# KiCad board Pravetz8A-patched.kicad_pcb
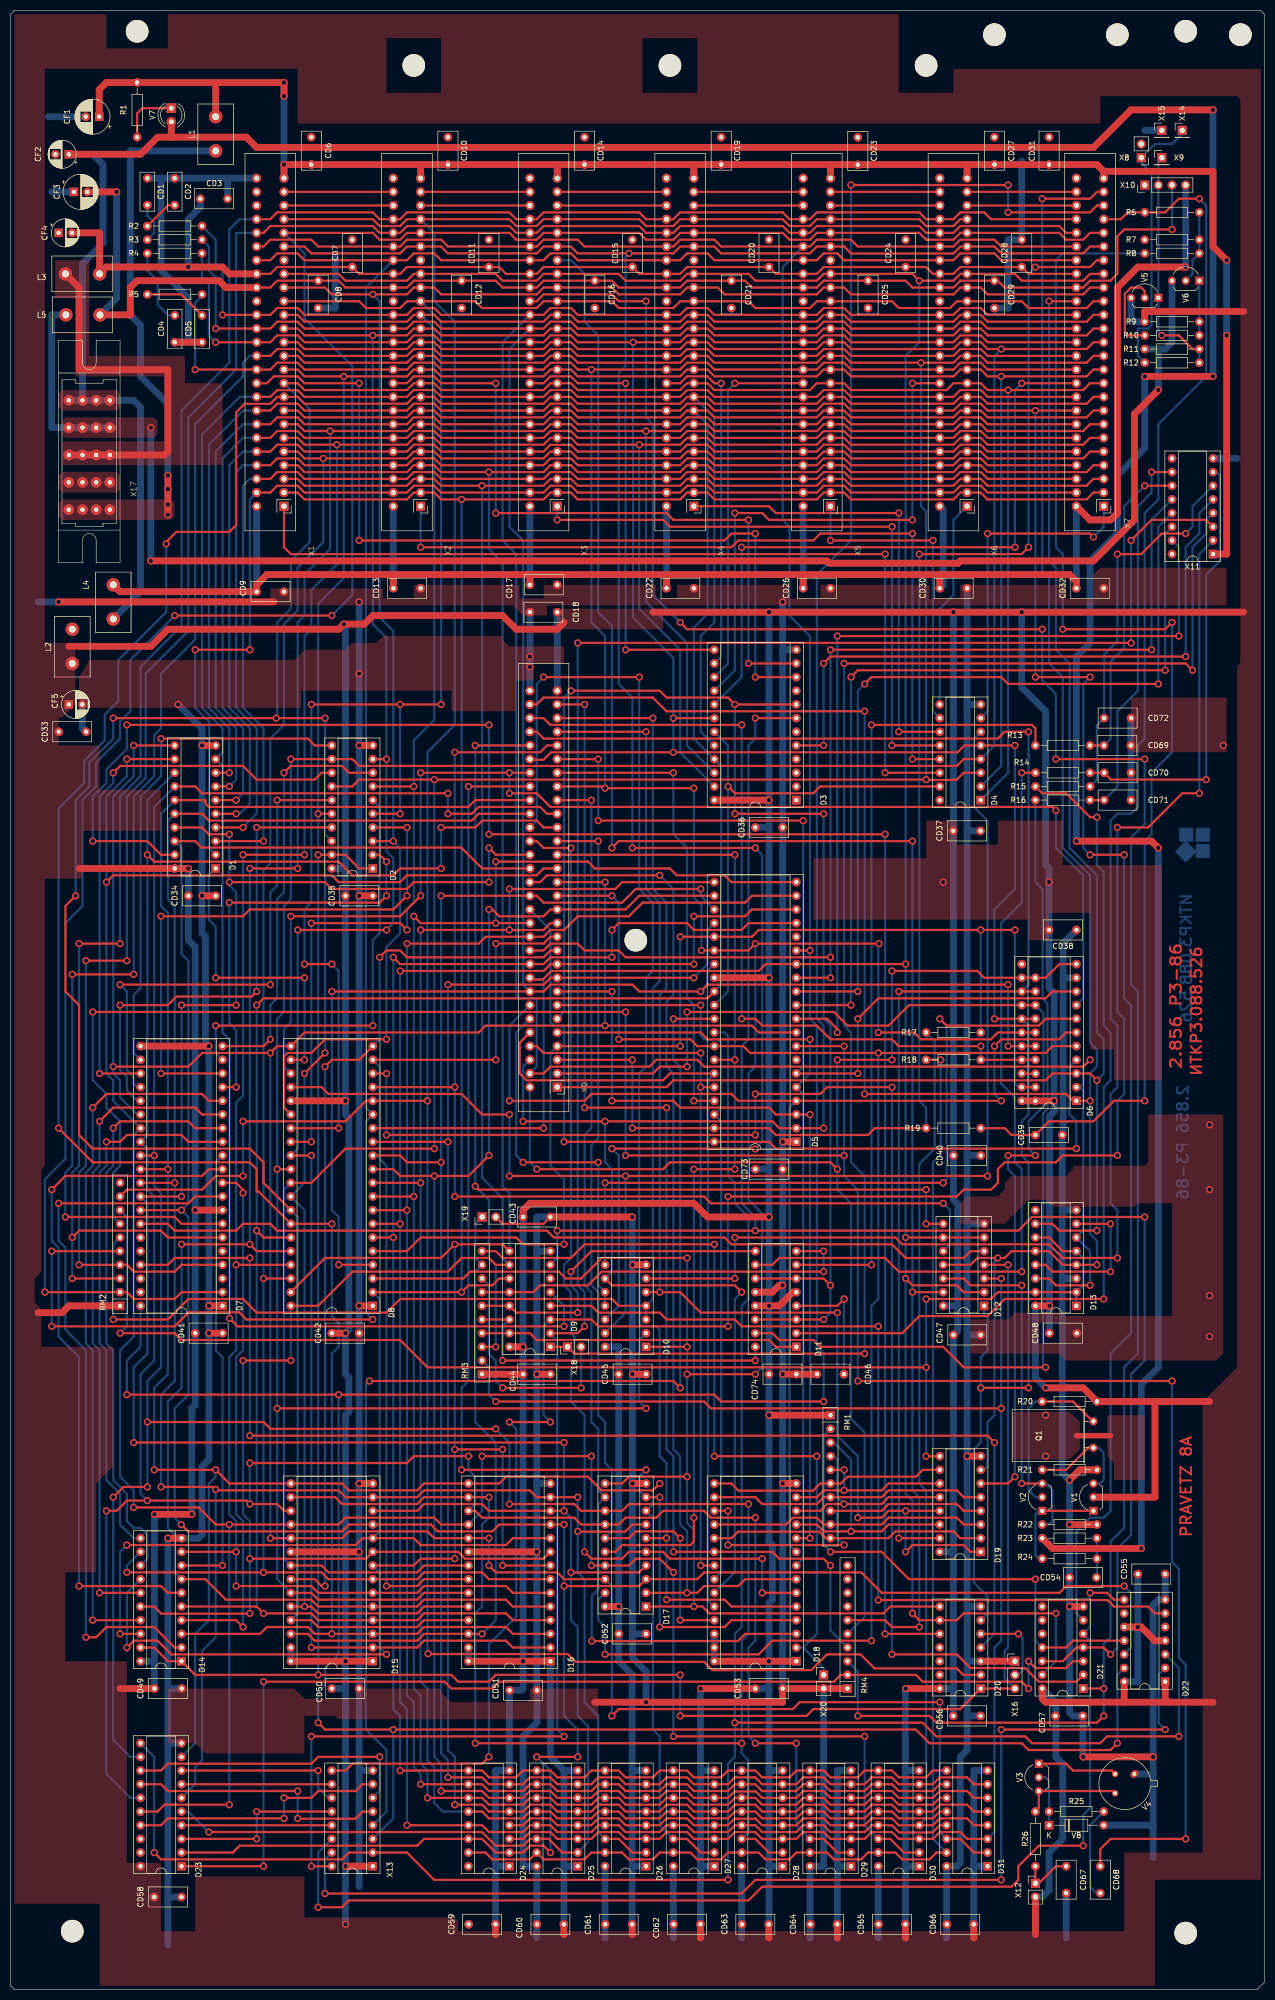
[diagram p0: board, top side]
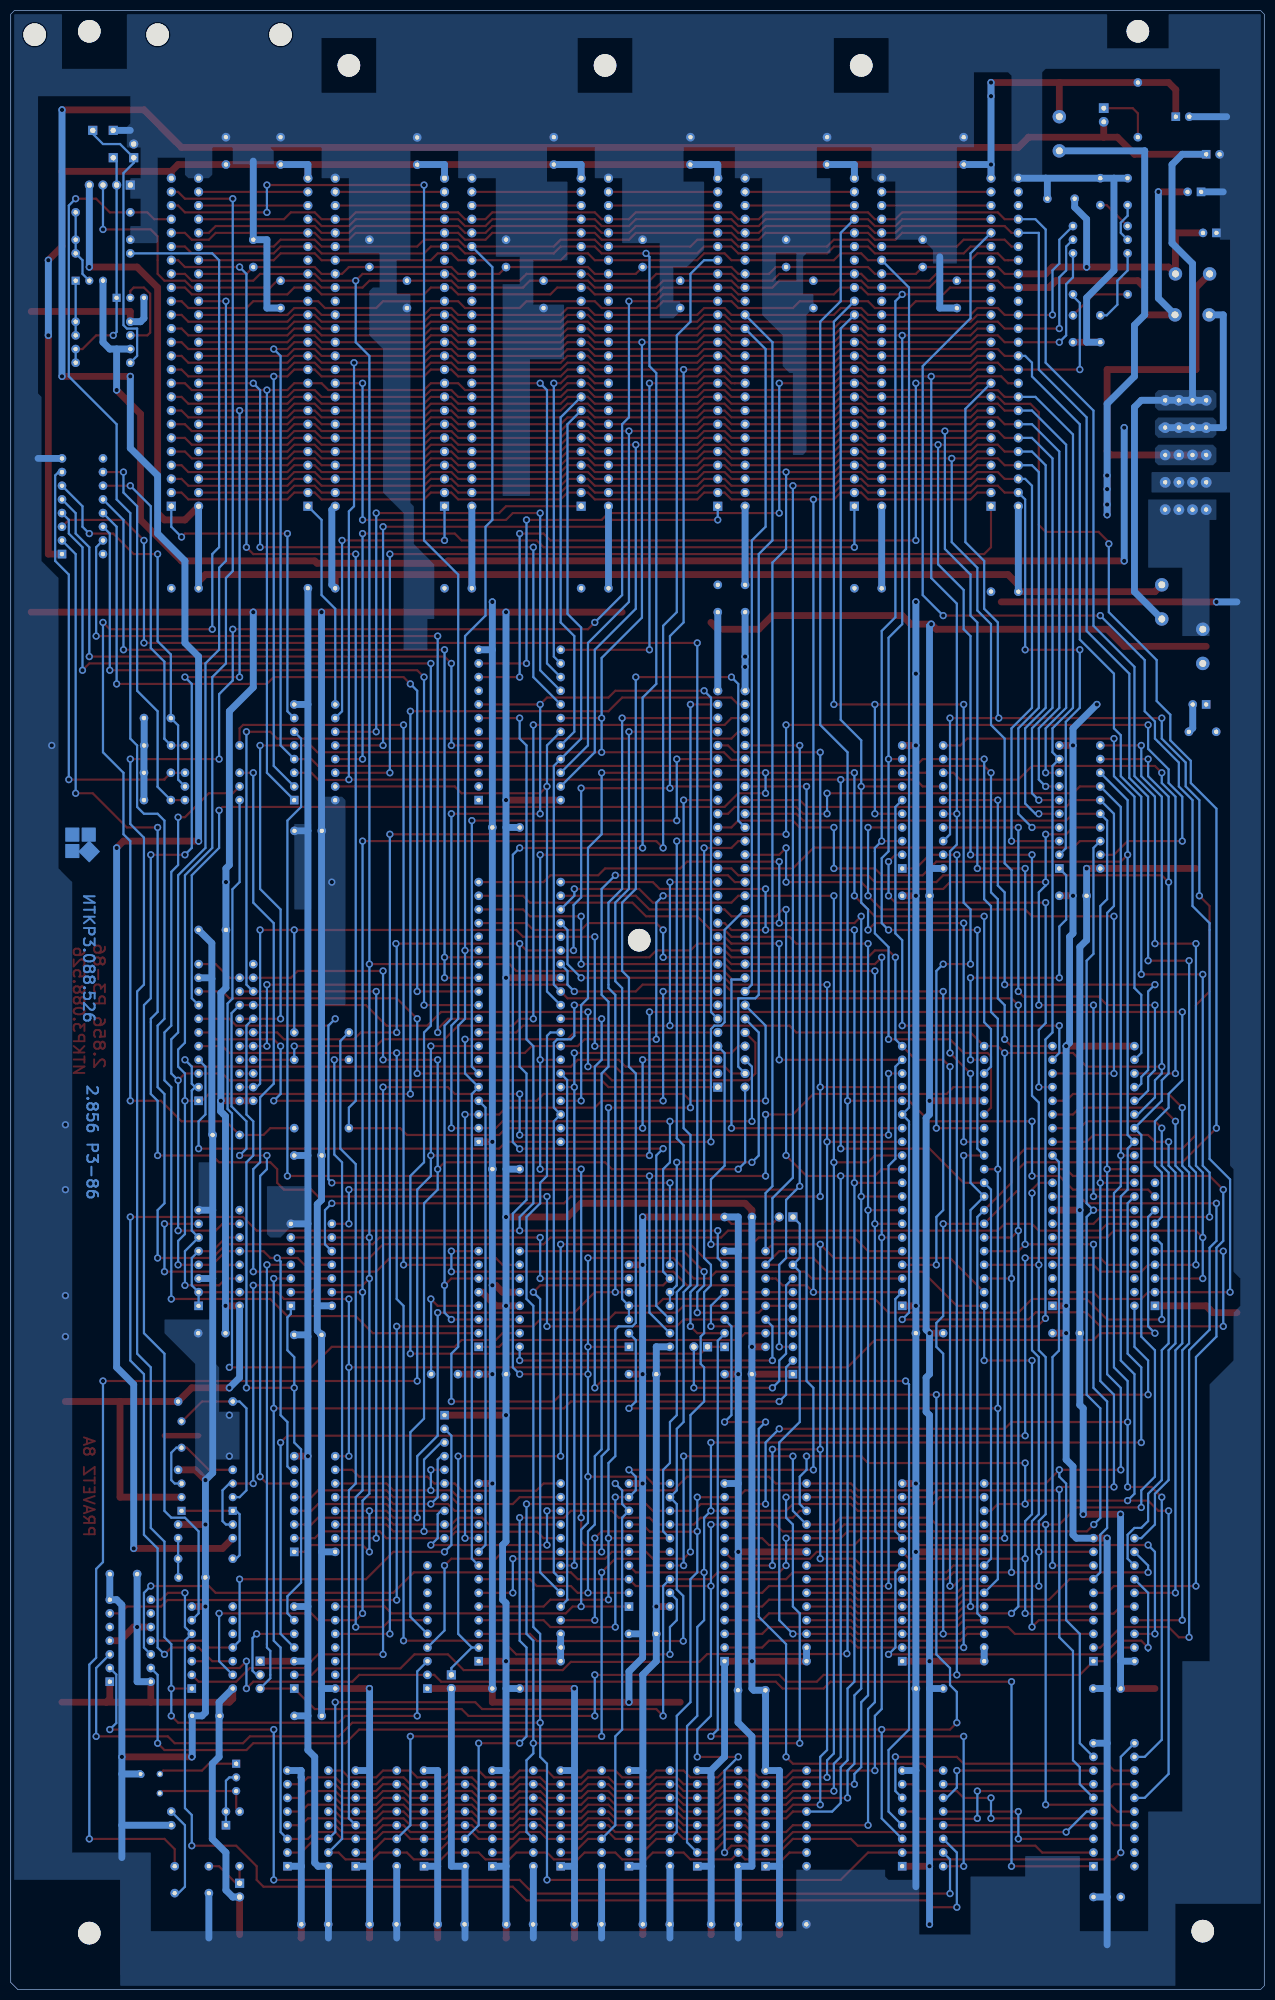
[diagram p1: board, bottom side, seen from below]

Outline 233.05 x 367.66 mm; copper layers: Top, Bottom. Coordinates in mm from the lower left corner of the outline.
Outline path: 0,367.03 0.64,367.66 232.41,367.66 233.05,367.03 233.05,1.27 231.78,0 0.64,0 0,0.63 0,367.03
Stack: Top 0.035mm / dielectric 1.51mm FR4 er 4.5 / Bottom 0.035mm

## Placement (name value [footprint] x y rotation side)
CD1  220pF  [C_Disc_D7.0mm_W2.5mm_P5.00mm]  25.4 336.55 270 top
CD2  220pF  [C_Disc_D7.0mm_W2.5mm_P5.00mm]  30.48 336.55 270 top
CD3  150n  [C_Rect_L7.0mm_W3.5mm_P200Mil]  40.32 332.74 180 top
CD4  220pF  [C_Disc_D7.0mm_W2.5mm_P5.00mm]  30.48 306.07 90 top
CD5  220pF  [C_Disc_D7.0mm_W2.5mm_P5.00mm]  35.56 306.07 90 top
CD6  150n  [C_Rect_L7.0mm_W3.5mm_P200Mil]  55.88 344.17 270 top
CD7  150n  [C_Rect_L7.0mm_W3.5mm_P200Mil]  63.5 325.12 270 top
CD8  150n  [C_Rect_L7.0mm_W3.5mm_P200Mil]  57.15 312.42 90 top
CD9  150n  [C_Rect_L7.0mm_W3.5mm_P200Mil]  50.8 259.71 180 top
CD10  150n  [C_Rect_L7.0mm_W3.5mm_P200Mil]  81.28 344.17 270 top
CD11  150n  [C_Rect_L7.0mm_W3.5mm_P200Mil]  88.9 325.12 270 top
CD12  150n  [C_Rect_L7.0mm_W3.5mm_P200Mil]  83.82 312.42 90 top
CD13  150n  [C_Rect_L7.0mm_W3.5mm_P200Mil]  76.2 260.35 180 top
CD14  150n  [C_Rect_L7.0mm_W3.5mm_P200Mil]  106.68 344.17 270 top
CD15  150n  [C_Rect_L7.0mm_W3.5mm_P200Mil]  115.57 325.12 270 top
CD16  150n  [C_Rect_L7.0mm_W3.5mm_P200Mil]  108.58 312.42 90 top
CD17  150n  [C_Rect_L7.0mm_W3.5mm_P200Mil]  101.6 260.99 180 top
CD18  150n  [C_Rect_L7.0mm_W3.5mm_P200Mil]  96.52 255.9 0 top
CD19  150n  [C_Rect_L7.0mm_W3.5mm_P200Mil]  132.08 344.17 270 top
CD20  150n  [C_Rect_L7.0mm_W3.5mm_P200Mil]  140.97 325.12 270 top
CD21  150n  [C_Rect_L7.0mm_W3.5mm_P200Mil]  133.99 312.42 90 top
CD22  150n  [C_Rect_L7.0mm_W3.5mm_P200Mil]  127 260.35 180 top
CD23  150n  [C_Rect_L7.0mm_W3.5mm_P200Mil]  157.48 344.13 270 top
CD24  150n  [C_Rect_L7.0mm_W3.5mm_P200Mil]  166.37 325.12 270 top
CD25  150n  [C_Rect_L7.0mm_W3.5mm_P200Mil]  159.39 312.42 90 top
CD26  150n  [C_Rect_L7.0mm_W3.5mm_P200Mil]  152.4 260.35 180 top
CD27  150n  [C_Rect_L7.0mm_W3.5mm_P200Mil]  182.88 344.17 270 top
CD28  150n  [C_Rect_L7.0mm_W3.5mm_P200Mil]  187.96 325.12 270 top
CD29  150n  [C_Rect_L7.0mm_W3.5mm_P200Mil]  182.88 312.42 90 top
CD30  150n  [C_Rect_L7.0mm_W3.5mm_P200Mil]  177.8 260.35 180 top
CD31  150n  [C_Rect_L7.0mm_W3.5mm_P200Mil]  193.04 344.17 270 top
CD32  150n  [C_Rect_L7.0mm_W3.5mm_P200Mil]  203.2 260.35 180 top
CD33  150n  [C_Rect_L7.0mm_W3.5mm_P200Mil]  8.93 233.68 0 top
CD34  150n  [C_Rect_L7.0mm_W3.5mm_P200Mil]  38.1 203.2 180 top
CD35  150n  [C_Rect_L7.0mm_W3.5mm_P200Mil]  67.31 203.2 180 top
CD36  150n  [C_Rect_L7.0mm_W3.5mm_P200Mil]  143.51 215.9 180 top
CD37  150n  [C_Rect_L7.0mm_W3.5mm_P200Mil]  180.3 215.26 180 top
CD38  150n  [C_Rect_L7.0mm_W3.5mm_P200Mil]  198.12 196.85 180 top
CD39  100pF  [C_Disc_D7.0mm_W2.5mm_P5.00mm]  195.5 158.75 180 top
CD40  150n  [C_Rect_L7.0mm_W3.5mm_P200Mil]  180.34 154.94 180 top
CD41  150n  [C_Rect_L7.0mm_W3.5mm_P200Mil]  34.29 121.92 0 top
CD42  150n  [C_Rect_L7.0mm_W3.5mm_P200Mil]  59.69 121.92 0 top
CD43  150n  [C_Rect_L7.0mm_W3.5mm_P200Mil]  100.33 143.51 180 top
CD44  150n  [C_Rect_L7.0mm_W3.5mm_P200Mil]  100.33 114.3 180 top
CD45  150n  [C_Rect_L7.0mm_W3.5mm_P200Mil]  118.11 114.3 180 top
CD46  100n  [C_Rect_L7.0mm_W3.5mm_P5.00mm]  149.9 114.3 0 top
CD47  150n  [C_Rect_L7.0mm_W3.5mm_P200Mil]  180.34 121.6 180 top
CD48  150n  [C_Rect_L7.0mm_W3.5mm_P200Mil]  193.12 121.92 0 top
CD49  150n  [C_Rect_L7.0mm_W3.5mm_P200Mil]  26.71 55.88 0 top
CD50  150n  [C_Rect_L7.0mm_W3.5mm_P200Mil]  59.69 55.88 0 top
CD51  150n  [C_Rect_L7.0mm_W3.5mm_P200Mil]  92.75 55.56 0 top
CD52  150n  [C_Rect_L7.0mm_W3.5mm_P200Mil]  113.03 66.04 0 top
CD53  150n  [C_Rect_L7.0mm_W3.5mm_P200Mil]  138.43 55.88 0 top
CD54  150n  [C_Rect_L7.0mm_W3.5mm_P5.00mm]  196.85 76.52 0 top
CD55  150n  [C_Rect_L7.0mm_W3.5mm_P200Mil]  209.55 77.15 0 top
CD56  150n  [C_Rect_L7.0mm_W3.5mm_P200Mil]  180.3 50.8 180 top
CD57  150n  [C_Rect_L7.0mm_W3.5mm_P200Mil]  199.31 50.8 180 top
CD58  150n  [C_Rect_L7.0mm_W3.5mm_P200Mil]  31.75 17.14 180 top
CD59  150n  [C_Rect_L7.0mm_W3.5mm_P5.00mm]  85.13 12.06 0 top
CD60  150n  [C_Rect_L7.0mm_W3.5mm_P5.00mm]  97.83 12.06 0 top
CD61  150n  [C_Rect_L7.0mm_W3.5mm_P5.00mm]  110.53 12.06 0 top
CD62  150n  [C_Rect_L7.0mm_W3.5mm_P5.00mm]  123.23 12.06 0 top
CD63  150n  [C_Rect_L7.0mm_W3.5mm_P5.00mm]  135.93 12.06 0 top
CD64  150n  [C_Rect_L7.0mm_W3.5mm_P5.00mm]  148.67 12.06 0 top
CD65  150n  [C_Rect_L7.0mm_W3.5mm_P5.00mm]  161.33 12.06 0 top
CD66  150n  [C_Rect_L7.0mm_W3.5mm_P5.00mm]  174.03 12.06 0 top
CD67  100n  [C_Rect_L7.0mm_W3.5mm_P5.00mm]  196.22 17.86 90 top
CD68  100n  [C_Rect_L7.0mm_W3.5mm_P5.00mm]  202.56 22.86 270 top
CD69  22n  [C_Rect_L7.0mm_W3.5mm_P5.00mm]  208.24 231.14 180 top
CD70  22n  [C_Rect_L7.0mm_W3.5mm_P5.00mm]  208.28 226.06 180 top
CD71  22n  [C_Rect_L7.0mm_W3.5mm_P5.00mm]  208.28 220.98 180 top
CD72  22n  [C_Rect_L7.0mm_W3.5mm_P5.00mm]  208.28 236.22 180 top
CD73  150n  [C_Rect_L7.0mm_W3.5mm_P200Mil]  138.43 152.4 0 top
CD74  150n  [C_Rect_L7.0mm_W3.5mm_P200Mil]  140.97 114.3 0 top
CF1  47uF  [CP_Radial_D6.3mm_P2.50mm]  16.45 347.98 180 top
CF2  10uF  [CP_Radial_D5.0mm_P2.50mm]  10.79 341 180 top
CF3  47uF  [CP_Radial_D6.3mm_P2.50mm]  11.75 334.01 0 top
CF4  10uF  [CP_Radial_D5.0mm_P2.50mm]  8.89 326.39 0 top
CF5  10uF  [CP_Radial_D5.0mm_P2.50mm]  10.79 238.76 0 top
D1  74LS245  [DIP-20_W7.62mm_Socket]  38.1 208.28 180 top
D2  74LS244  [DIP-20_W7.62mm_Socket]  67.31 208.28 180 top
D3  74LS154  [DIP-24_W15.24mm_Socket]  146.05 220.98 180 top
D4  74LS138  [DIP-16_W7.62mm_Socket]  180.34 220.98 180 top
D5  CM632  [DIP-40_W15.24mm_Socket]  146.05 157.48 180 top
D6  CM633  [DIP-22_W10.16mm_Socket]  198.12 165.1 180 top
D7  6502  [DIP-40_W15.24mm_Socket]  39.37 127 180 top
D8  CM631  [DIP-40_W15.24mm_Socket]  67.31 127 180 top
D9  74LS251  [DIP-16_W7.62mm_Socket]  100.33 119.38 180 top
D10  74LS10  [DIP-14_W7.62mm_Socket]  118.11 119.38 180 top
D11  NE558  [DIP-16_W7.62mm_Socket]  146.05 119.38 180 top
D12  74LS125  [DIP-14_W7.62mm_Socket]  180.98 127 180 top
D13  74S109  [DIP-16_W7.62mm_Socket]  198.12 127 180 top
D14  74LS244  [DIP-20_W7.62mm_Socket]  31.75 60.96 180 top
D15  2764  [DIP-28_W15.24mm_Socket]  67.31 60.96 180 top
D16  2764  [DIP-28_W15.24mm_Socket]  100.33 60.96 180 top
D17  74LS374  [DIP-20_W7.62mm_Socket]  118.11 71.12 180 top
D18  2764  [DIP-28_W15.24mm_Socket]  146.05 60.96 180 top
D19  74LS166  [DIP-16_W7.62mm_Socket]  180.34 81.28 180 top
D20  74LS02  [DIP-14_W7.62mm_Socket]  180.34 55.88 180 top
D21  74LS125  [DIP-14_W7.62mm_Socket]  199.39 55.88 180 top
D22  74LS74  [DIP-14_W7.62mm_Socket]  214.63 57.15 180 top
D23  74LS374  [DIP-20_W7.62mm_Socket]  31.75 22.86 180 top
D24  MN4164  [DIP-16_W7.62mm_Socket]  92.71 22.86 180 top
D25  MN4164  [DIP-16_W7.62mm_Socket]  105.41 22.86 180 top
D26  MN4164  [DIP-16_W7.62mm_Socket]  118.11 22.86 180 top
D27  MN4164  [DIP-16_W7.62mm_Socket]  130.81 22.86 180 top
D28  MN4164  [DIP-16_W7.62mm_Socket]  143.51 22.86 180 top
D29  MN4164  [DIP-16_W7.62mm_Socket]  156.21 22.86 180 top
D30  MN4164  [DIP-16_W7.62mm_Socket]  168.91 22.86 180 top
D31  MN4164  [DIP-16_W7.62mm_Socket]  181.61 22.86 180 top
H1  MH  [MountingHole_4.2mm_M4_WO_Periferial]  23.5 363.85 0 top
H2  MH  [MountingHole_4.2mm_M4_WO_Periferial]  74.93 357.5 0 top
H3  MH  [MountingHole_4.2mm_M4_WO_Periferial]  122.55 357.5 0 top
H4  MH  [MountingHole_4.2mm_M4_WO_Periferial]  170.18 357.5 0 top
H5  MH  [MountingHole_4.2mm_M4_WO_Periferial]  182.88 363.22 0 top
H6  MH  [MountingHole_4.2mm_M4_WO_Periferial]  205.74 363.22 0 top
H7  MH  [MountingHole_4.2mm_M4_WO_Periferial]  218.44 363.85 0 top
H8  MH  [MountingHole_4.2mm_M4_WO_Periferial]  228.6 363.22 0 top
H9  MH  [MountingHole_4.2mm_M4_WO_Periferial]  116.2 194.94 0 top
H10  MH  [MountingHole_4.2mm_M4_WO_Periferial]  11.43 10.79 0 top
H11  MH  [MountingHole_4.2mm_M4_WO_Periferial]  218.44 10.43 0 top
L1  1uH  [PowerInductor]  38.1 339.73 90 top
L2  1uH  [PowerInductor]  11.43 244.48 90 top
L3  1uH  [PowerInductor]  8.25 318.77 0 top
L4  1uH  [PowerInductor]  19.05 252.73 90 top
L5  1uH  [PowerInductor]  8.33 311.15 0 top
NOREF  -  [unnamed]  190.5 182.88 0 top
NOREF#2  -  [unnamed#2]  190.53 170.15 0 top
NOREF#3  -  [unnamed#3]  190.5 185.42 0 top
NOREF#4  -  [unnamed#4]  190.5 175.26 0 top
NOREF#5  -  [unnamed#5]  190.5 187.96 0 top
NOREF#6  -  [unnamed#6]  190.5 167.64 0 top
NOREF#7  -  [unnamed#7]  190.5 165.07 0 top
NOREF#8  -  [unnamed#8]  190.5 177.8 0 top
NOREF#9  -  [unnamed#9]  191.11 180.34 0 top
NOREF#10  -  [unnamed#4]  190.5 180.34 0 top
Q1  14.318  [Crystal_HC49-U_Small]  201.3 105.54 270 top
R1  390  [R_Axial_DIN0207_L6.3mm_D1.9mm_P10.16mm_Horizontal]  23.5 344.17 90 top
R2  120  [R_Axial_DIN0207_L6.3mm_D1.9mm_P10.16mm_Horizontal]  25.4 327.66 0 top
R3  120  [R_Axial_DIN0207_L6.3mm_D1.9mm_P10.16mm_Horizontal]  25.4 325.12 0 top
R4  120  [R_Axial_DIN0207_L6.3mm_D1.9mm_P10.16mm_Horizontal]  25.4 322.58 0 top
R5  120  [R_Axial_DIN0207_L6.3mm_D1.9mm_P10.16mm_Horizontal]  25.4 314.96 0 top
R6  2k7  [R_Axial_DIN0207_L6.3mm_D1.9mm_P10.16mm_Horizontal]  220.98 330.2 180 top
R7  6k8  [R_Axial_DIN0207_L6.3mm_D1.9mm_P10.16mm_Horizontal]  220.98 325.12 180 top
R8  5k6  [R_Axial_DIN0207_L6.3mm_D1.9mm_P10.16mm_Horizontal]  220.98 322.58 180 top
R9  1k  [R_Axial_DIN0207_L6.3mm_D1.9mm_P10.16mm_Horizontal]  210.82 309.88 0 top
R10  100  [R_Axial_DIN0207_L6.3mm_D1.9mm_P10.16mm_Horizontal]  210.82 307.34 0 top
R11  200  [R_Axial_DIN0207_L6.3mm_D1.9mm_P10.16mm_Horizontal]  220.98 304.8 180 top
R12  75  [R_Axial_DIN0207_L6.3mm_D1.9mm_P10.16mm_Horizontal]  210.82 302.26 0 top
R13  100  [R_Axial_DIN0207_L6.3mm_D1.9mm_P10.16mm_Horizontal]  190.5 231.14 0 top
R14  100  [R_Axial_DIN0207_L6.3mm_D1.9mm_P10.16mm_Horizontal]  190.5 226.06 0 top
R15  100  [R_Axial_DIN0207_L6.3mm_D1.9mm_P10.16mm_Horizontal]  190.5 223.52 0 top
R16  100  [R_Axial_DIN0207_L6.3mm_D1.9mm_P10.16mm_Horizontal]  190.5 220.98 0 top
R17  47  [R_Axial_DIN0207_L6.3mm_D1.9mm_P10.16mm_Horizontal]  180.34 177.8 180 top
R18  47  [R_Axial_DIN0207_L6.3mm_D1.9mm_P10.16mm_Horizontal]  180.34 172.72 180 top
R19  1k2  [R_Axial_DIN0207_L6.3mm_D1.9mm_P10.16mm_Horizontal]  180.34 160.02 180 top
R20  47  [R_Axial_DIN0207_L6.3mm_D1.9mm_P10.16mm_Horizontal]  201.93 109.22 180 top
R21  47  [R_Axial_DIN0207_L6.3mm_D1.9mm_P10.16mm_Horizontal]  191.77 96.52 0 top
R22  150  [R_Axial_DIN0207_L6.3mm_D1.9mm_P10.16mm_Horizontal]  191.77 86.36 0 top
R23  56  [R_Axial_DIN0207_L6.3mm_D1.9mm_P10.16mm_Horizontal]  191.77 83.82 0 top
R24  270  [R_Axial_DIN0207_L6.3mm_D1.9mm_P10.16mm_Horizontal]  191.77 80.01 0 top
R25  4k7  [R_Axial_DIN0207_L6.3mm_D1.9mm_P10.16mm_Horizontal]  203.2 33.02 180 top
R26  75  [R_Axial_DIN0207_L6.3mm_D1.9mm_P10.16mm_Horizontal]  190.5 33.02 270 top
RM1  3k3  [R_Array_SIP10]  152.4 106.68 270 top
RM2  3k3  [R_Array_SIP10]  20.32 127 90 top
RM3  1k0  [R_Array_SIP10]  87.63 114.3 90 top
RM4  1k0  [R_Array_SIP10]  155.58 55.88 90 top
V1  2N3906  [TO-92L_Inline_Wide]  201.3 88.9 90 top
V2  2N3906  [TO-92L_Inline_Wide]  191.77 88.9 90 top
V3  2T3604  [TO-92_Inline_Wide_Mirror]  191.14 36.83 90 top
V4  2T6551  [TO-5-3]  208.92 40 225 top
V5  2T3604  [TO-92_Inline_Wide_Mirror]  208.28 314.32 0 top
V6  2T3308  [TO-92_Inline_Wide_Mirror]  215.9 317.5 0 top
V7  LED  [LED_D4.0mm]  29.85 349.57 270 top
V8  1N4148  [D_DO-35_SOD27_P10.16mm_Horizontal]  193.04 30.48 0 top
X0  Apple2ExtBus  [Apple2eExtSlot]  99.06 198.12 180 top
X1  Apple2Bus  [Apple2Slot]  56.39 305.16 180 top
X2  Apple2Bus  [Apple2Slot]  81.79 305.16 180 top
X3  Apple2Bus  [Apple2Slot]  107.19 305.16 180 top
X4  Apple2Bus  [Apple2Slot]  132.59 305.16 180 top
X5  Apple2Bus  [Apple2Slot]  157.99 305.16 180 top
X6  Apple2Bus  [Apple2Slot]  183.39 305.16 180 top
X7  Apple2Bus  [Apple2Slot]  208.79 305.16 180 top
X8  Video  [PinHeader_1x02_P2.54mm_Vertical]  210.19 340.36 180 top
X9  Monitor  [PinHeader_1x01_P2.54mm_Vertical]  214 340.36 0 top
X10  Modulator  [PinHeader_1x04_P2.54mm_Vertical]  210.82 335.28 90 top
X11  Joystick  [DIP-16_W7.62mm_Socket]  223.52 266.7 180 top
X12  Speaker  [PinHeader_1x02_P2.54mm_Vertical]  190.5 19.69 0 top
X13  KBD  [DIP-16_W7.62mm_Socket]  67.31 22.86 180 top
X14  Monitor  [PinHeader_1x01_P2.54mm_Vertical]  217.81 345.44 0 top
X15  BNC  [PinHeader_1x01_P2.54mm_Vertical]  214 345.44 0 top
X16  Jumper_3_Bridged12  [PinHeader_1x03_P2.54mm_Vertical]  186.69 60.96 0 top
X17  Power  [PravetzPwrConnector]  14.61 285.12 0 top
X18  Jumper_2_Open  [PinHeader_1x02_P2.54mm_Vertical_Small]  103.51 119.38 90 top
X19  Jumper_2_Open  [PinHeader_1x02_P2.54mm_Vertical]  87.63 143.51 90 top
X20  Jumper_2_Open  [PinHeader_1x02_P2.54mm_Vertical]  151.13 58.42 0 top

## Library data of the parts
CD1-CD74 = -: ki_fp_filters: C_*
CF1-CF5 = -: Description: Polarized capacitor; ki_fp_filters: CP_*
D1 = -: Datasheet: http://www.ti.com/lit/gpn/sn74LS245; Description: Octal BUS Transceivers, 3-State outputs; ki_fp_filters: DIP?20*
D2 D14 = -: Datasheet: http://www.ti.com/lit/ds/symlink/sn74ls244.pdf; Description: Octal Buffer and Line Driver With 3-State Output, active-low enables, non-inverting outputs; ki_fp_filters: DIP?20*
D3 = -: Datasheet: http://www.ti.com/lit/gpn/sn74LS154; Description: Decoder 4 to 16; ki_fp_filters: DIP?24*
D4 = -: Datasheet: http://www.ti.com/lit/gpn/sn74LS138; Description: Decoder 3 to 8 active low outputs; ki_fp_filters: DIP?16*
D5 = -: Description: IOU 344-0021; ki_fp_filters: DIP*W15.24mm*
D6 = -: Description: HAL; ki_fp_filters: DIP*W15.24mm*
D7 = -: Datasheet: http://www.6502.org/documents/datasheets/mos/mos_6500_mpu_mar_1980.pdf; Description: 8-bit NMOS Microprocessor, 64K, DIP-40; ki_fp_filters: DIP*W15.24mm*
D8 = -: Description: MMU 344-0011; ki_fp_filters: DIP*W15.24mm*
D9 = -: Datasheet: http://www.ti.com/lit/gpn/sn74LS251; Description: Multiplexer 8 to 1, 3-state Outputs; ki_fp_filters: DIP?16*
D10 = -: Datasheet: http://www.ti.com/lit/gpn/sn74LS10; Description: Triple 3-input NAND; ki_fp_filters: DIP*W7.62mm*
D11 = -: ki_fp_filters: SOIC?28*7.5x17.9mm*P1.27mm*
D12 D21 = -: Datasheet: http://www.ti.com/lit/gpn/sn74LS125; Description: Quad buffer 3-State outputs; ki_fp_filters: DIP*W7.62mm*
D13 = -: Datasheet: http://www.ti.com/lit/gpn/sn74LS109; Description: Dual JK Flip-Flop, Set & Reset; ki_fp_filters: DIP*W7.62mm*
D15 D16 D18 = -: Datasheet: http://eeshop.unl.edu/pdf/27128.pdf; Description: UV Erasable EPROM 128 KiBit, [Obsolete 2000-11]; ki_fp_filters: DIP*W15.24mm*
D17 D23 = -: Datasheet: http://www.ti.com/lit/gpn/sn74LS374; Description: 8-bit Register, 3-state outputs; ki_fp_filters: DIP?20* SOIC?20* SO?20*
D19 = -: Datasheet: http://www.ti.com/lit/gpn/sn74LS166; Description: Shift Register 8-bit, parallel load; ki_fp_filters: DIP?16*
D20 = -: Datasheet: http://www.ti.com/lit/gpn/sn74ls02; Description: quad 2-input NOR gate; ki_fp_filters: SO14* DIP*W7.62mm*
D22 = -: Datasheet: 74xx/74hc_hct74.pdf; Description: Dual D Flip-flop, Set & Reset; ki_fp_filters: DIP*W7.62mm*
D24-D31 = -: Description: 64Kb FRAM nonvolatile memory, SOIC-28; ki_fp_filters: SOIC?28*7.5x17.9mm*P1.27mm*
H1-H11 = -: Description: Mounting Hole without connection; ki_fp_filters: MountingHole*
L1-L5 = -: Description: Inductor with ferrite core; ki_fp_filters: Choke_* *Coil* Inductor_* L_*
Q1 = -: Description: Two pin crystal; ki_fp_filters: Crystal*
R1-R26 = -: Description: Resistor; ki_fp_filters: R_*
RM1-RM4 = -: Datasheet: http://www.vishay.com/docs/31509/csc.pdf; Description: 9 resistor network, star topology, bussed resistors, split; ki_fp_filters: R?Array?SIP*
V1 V2 V6 = -: Description: Bipolar transistor symbol for simulation only, substrate tied to the emitter; Sim.Device: PNP; Sim.Type: GUMMELPOON; Sim.Pins: 1=C 2=B 3=E
V3-V5 = -: Datasheet: http://www.onsemi.com/pub_link/Collateral/2N2219-D.PDF; Description: 800mA Ic, 50V Vce, NPN Transistor, TO-39; ki_fp_filters: TO?39*
V7 = -: Description: Light emitting diode; ki_fp_filters: LED* LED_SMD:* LED_THT:*
V8 = -: Datasheet: https://assets.nexperia.com/documents/data-sheet/1N4148_1N4448.pdf; Description: 100V 0.15A standard switching diode, DO-35; Sim.Device: D; Sim.Pins: 1=K 2=A; ki_fp_filters: D*DO?35*
X8 X12 = -: Description: Generic connector, single row, 01x02, script generated (kicad-library-utils/schlib/autogen/connector/); ki_fp_filters: Connector*:*_1x??_*
X9 X14 X15 = -: Description: Generic connector, single row, 01x01, script generated (kicad-library-utils/schlib/autogen/connector/); ki_fp_filters: Connector*:*_1x??_*
X10 = -: Description: Generic connector, single row, 01x04, script generated (kicad-library-utils/schlib/autogen/connector/); ki_fp_filters: Connector*:*_1x??_*
X11 = -: Description: Pravetz 8A/8C Joystick Connector; ki_fp_filters: TSSOP*4.4x6.5mm*P0.65mm* SSOP*4.4x6.5mm*P0.65mm*
X13 = -: Description: Pravetz 8A/8C KBD Connector; ki_fp_filters: TSSOP*4.4x6.5mm*P0.65mm* SSOP*4.4x6.5mm*P0.65mm*
X16 = -: Description: Jumper, 3-pole, pins 1+2 closed/bridged; ki_fp_filters: Jumper* TestPoint*3Pads* TestPoint*Bridge*
X17 = -: Description: Generic connector, single row, 01x05, script generated (kicad-library-utils/schlib/autogen/connector/); ki_fp_filters: Connector*:*_1x??_*
X18 X19 = -: ki_fp_filters: Jumper* TestPoint*2Pads* TestPoint*Bridge*
X20 = -: Description: AltChar; ki_fp_filters: Jumper* TestPoint*2Pads* TestPoint*Bridge*

## Footprints (pads in the part's own frame, mm; a bottom-side part is the same pattern mirrored in y, then rotated)
Apple2eExtSlot
  trapezoid 1.7x1.7 hole 1: 1(-2.54,30.48)
  oval 1.7x1.7 hole 0.95: 2(-2.54,27.94) 3(-2.54,25.4) 4(-2.54,22.86) 5(-2.54,20.32) 6(-2.54,17.78) 7(-2.54,15.24) 8(-2.54,12.7) 9(-2.54,10.16) 10(-2.54,7.62) 11(-2.54,5.08) 12(-2.54,2.54) 13(-2.54,0) 14(-2.54,-2.54) 15(-2.54,-5.08) 16(-2.54,-7.62) 17(-2.54,-10.16) 18(-2.54,-12.7) 19(-2.54,-15.24) 20(-2.54,-17.78) 21(-2.54,-20.32) 22(-2.54,-22.86) 23(-2.54,-25.4) 24(-2.54,-27.94) 25(-2.54,-30.48) 26(-2.54,-33.02) 27(-2.54,-35.56) 28(-2.54,-38.1) 29(-2.54,-40.64) 30(-2.54,-43.18) 31(2.54,-43.18) 32(2.54,-40.64) 33(2.54,-38.1) 34(2.54,-35.56) 35(2.54,-33.02) 36(2.54,-30.48) 37(2.54,-27.94) 38(2.54,-25.4) 39(2.54,-22.86) 40(2.54,-20.32) 41(2.54,-17.78) 42(2.54,-15.24) 43(2.54,-12.7) 44(2.54,-10.16) 45(2.54,-7.62) 46(2.54,-5.08) 47(2.54,-2.54) 48(2.54,0) 49(2.54,2.54) 50(2.54,5.08) 51(2.54,7.62) 52(2.54,10.16) 53(2.54,12.7) 54(2.54,15.24) 55(2.54,17.78) 56(2.54,20.32) 57(2.54,22.86) 58(2.54,25.4) 59(2.54,27.94) 60(2.54,30.48)
Apple2Slot
  trapezoid 1.7x1.7 hole 1: 1(5.59,29.566)
  oval 1.7x1.7 hole 0.95: 2(5.59,27.026) 3(5.59,24.486) 4(5.59,21.946) 5(5.59,19.406) 6(5.59,16.866) 7(5.59,14.326) 8(5.59,11.786) 9(5.59,9.246) 10(5.59,6.706) 11(5.59,4.166) 12(5.59,1.626) 13(5.59,-0.914) 14(5.59,-3.454) 15(5.59,-5.994) 16(5.59,-8.534) 17(5.59,-11.074) 18(5.59,-13.614) 19(5.59,-16.154) 20(5.59,-18.694) 21(5.59,-21.234) 22(5.59,-23.774) 23(5.59,-26.314) 24(5.59,-28.854) 25(5.59,-31.394) 26(10.67,-31.394) 27(10.67,-28.854) 28(10.67,-26.314) 29(10.67,-23.774) 30(10.67,-21.234) 31(10.67,-18.694) 32(10.67,-16.154) 33(10.67,-13.614) 34(10.67,-11.074) 35(10.67,-8.534) 36(10.67,-5.994) 37(10.67,-3.454) 38(10.67,-0.914) 39(10.67,1.626) 40(10.67,4.166) 41(10.67,6.706) 42(10.67,9.246) 43(10.67,11.786) 44(10.67,14.326) 45(10.67,16.866) 46(10.67,19.406) 47(10.67,21.946) 48(10.67,24.486) 49(10.67,27.026) 50(10.67,29.566)
C_Disc_D7.0mm_W2.5mm_P5.00mm
  round 1.6 hole 0.8: 1(0,0) 2(5,0)
C_Rect_L7.0mm_W3.5mm_P5.00mm
  round 1.6 hole 0.8: 1(0,0) 2(5,0)
C_Rect_L7.0mm_W3.5mm_P200Mil
  round 1.6 hole 0.8: 1(0,0) 2(5.08,0)
CP_Radial_D5.0mm_P2.50mm
  rect 1.6x1.6 hole 0.8: 1(0,0)
  round 1.6 hole 0.8: 2(2.5,0)
CP_Radial_D6.3mm_P2.50mm
  rect 1.6x1.6 hole 0.8: 1(0,0)
  round 1.6 hole 0.8: 2(2.5,0)
Crystal_HC49-U_Small
  round 1.5 hole 0.8: 1(0,0) 2(4.9,0)
D_DO-35_SOD27_P10.16mm_Horizontal
  rect 1.6x1.6 hole 0.8: 1(0,0)
  oval 1.6x1.6 hole 0.8: 2(10.16,0)
DIP-14_W7.62mm_Socket
  rect 1.6x1.6 hole 0.8: 1(0,0)
  oval 1.6x1.6 hole 0.8: 2(0,-2.54) 3(0,-5.08) 4(0,-7.62) 5(0,-10.16) 6(0,-12.7) 7(0,-15.24) 8(7.62,-15.24) 9(7.62,-12.7) 10(7.62,-10.16) 11(7.62,-7.62) 12(7.62,-5.08) 13(7.62,-2.54) 14(7.62,0)
DIP-16_W7.62mm_Socket
  rect 1.6x1.6 hole 0.8: 1(0,0)
  oval 1.6x1.6 hole 0.8: 2(0,-2.54) 3(0,-5.08) 4(0,-7.62) 5(0,-10.16) 6(0,-12.7) 7(0,-15.24) 8(0,-17.78) 9(7.62,-17.78) 10(7.62,-15.24) 11(7.62,-12.7) 12(7.62,-10.16) 13(7.62,-7.62) 14(7.62,-5.08) 15(7.62,-2.54) 16(7.62,0)